# KiCad board ESP32CAM-Weather-Station.kicad_pcb
title: ESP32CAM-Weather-Station; company: Ilias Kringos (ilkringos@gmail.com)
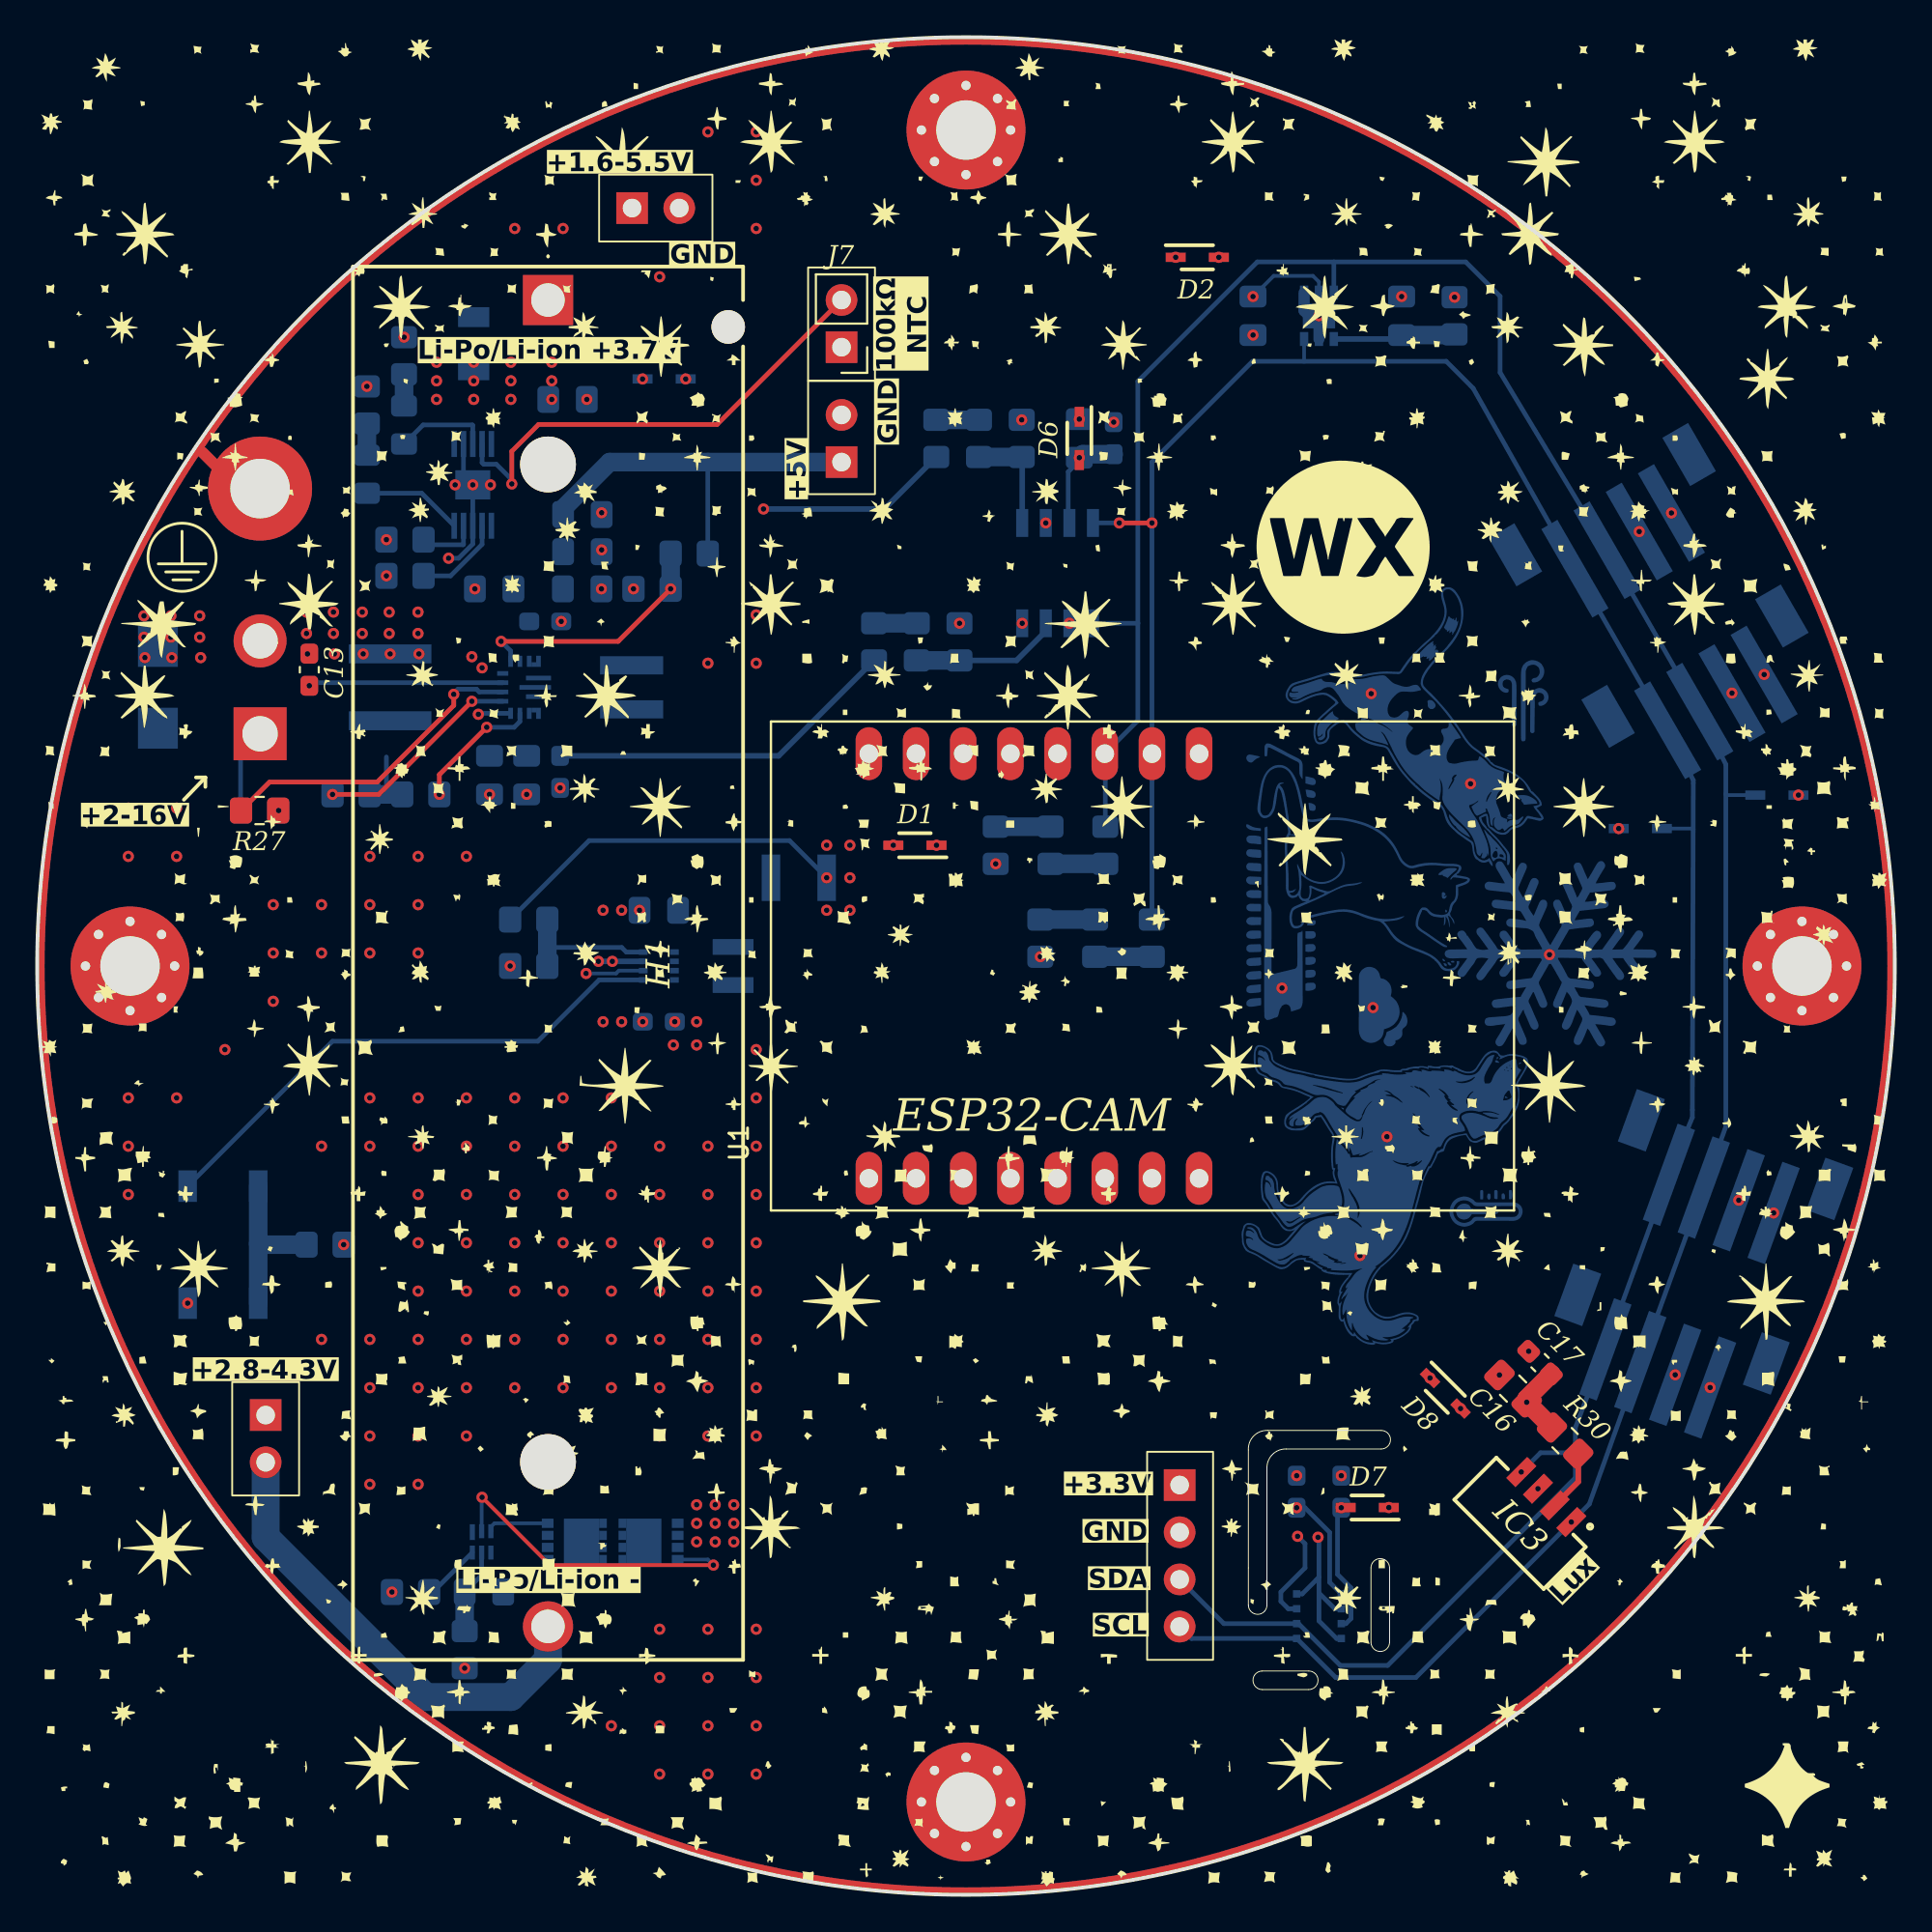
[diagram p0: board, top side]
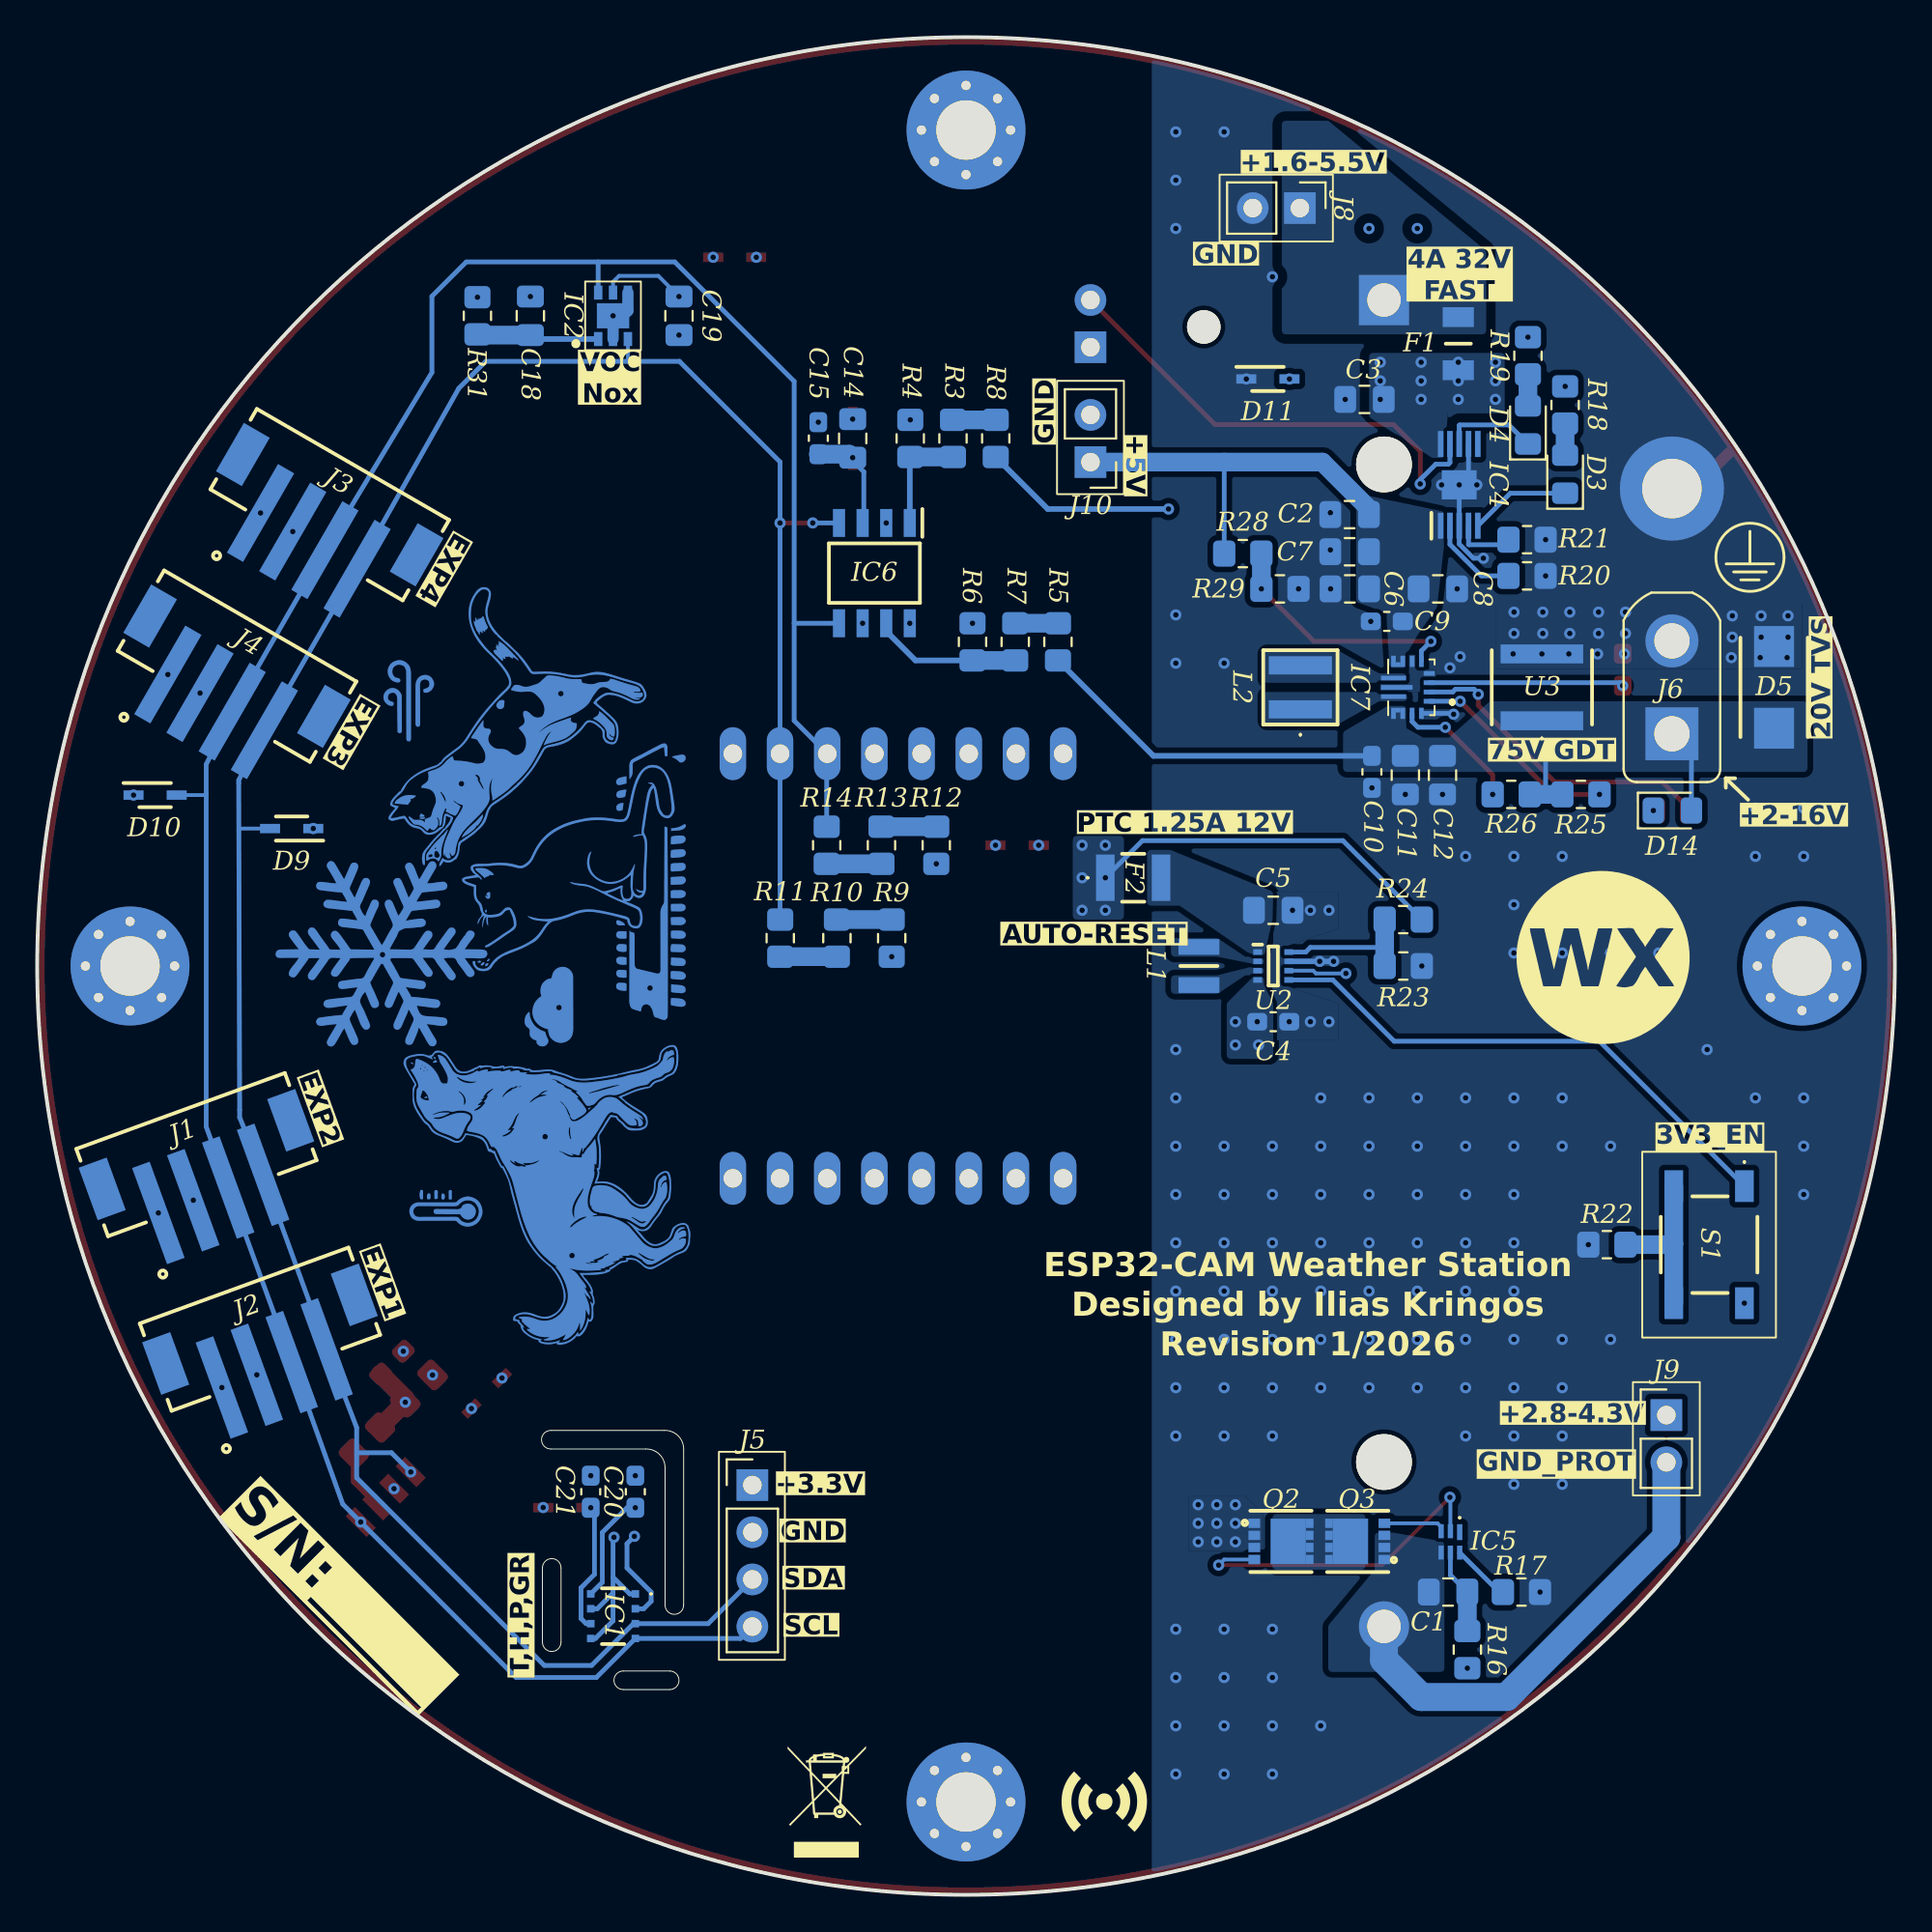
[diagram p1: board, bottom side, seen from below]

Outline 100 x 100 mm; copper layers: Top, In1.Cu, In2.Cu, Bottom. Coordinates in mm from the lower left corner of the outline.
Outline path: circle c50,50 r50 ; 65.2,23.95 arc(65.49,24.71) 66.25,25 72.35,25 arc(72.85,24.5) 72.35,24 67.25,24 arc(66.51,23.72) 66.2,22.99 66.2,15.6 arc(65.7,15.1) 65.2,15.6 65.2,23.95 ; 65.95,11.05 arc(65.45,11.55) 65.95,12.05 68.45,12.05 arc(68.95,11.55) 68.45,11.05 65.95,11.05 ; 71.8,17.6 arc(72.3,18.1) 72.8,17.6 72.8,13.6 arc(72.3,13.1) 71.8,13.6 71.8,17.6
Stack: Top 0.035mm / dielectric 0.0994mm FR4 er 4.1 / In1.Cu 0.0152mm / dielectric 1.265mm FR4 er 4.1 / In2.Cu 0.0152mm / dielectric 0.0994mm FR4 er 4.1 / Bottom 0.035mm

## Placement (name value [footprint] x y rotation side)
C1  0.1uF  [C_0805_2012Metric_Pad1.18x1.45mm_HandSolder]  24.05 16.3 0 bottom
C2  1uF  [C_0805_2012Metric_Pad1.18x1.45mm_HandSolder]  29.35 74.3 0 bottom
C3  1uF  [C_0805_2012Metric_Pad1.18x1.45mm_HandSolder]  28.55 80.5 0 bottom
C4  22uF  [C_0603_1608Metric_Pad1.08x0.95mm_HandSolder]  33.46 47 180 bottom
C5  47uF  [C_0805_2012Metric_Pad1.18x1.45mm_HandSolder]  33.46 53 180 bottom
C6  22uF  [C_0805_2012Metric_Pad1.18x1.45mm_HandSolder]  29.34 70.3 0 bottom
C7  22uF  [C_0805_2012Metric_Pad1.18x1.45mm_HandSolder]  29.35 72.3 0 bottom
C8  22uF  [C_0805_2012Metric_Pad1.18x1.45mm_HandSolder]  24.6 70.3 180 bottom
C9  10uF  [C_0603_1608Metric_Pad1.08x0.95mm_HandSolder]  27.35 68.55 0 bottom
C10  10uF  [C_0603_1608Metric_Pad1.08x0.95mm_HandSolder]  28.15 60.45 270 bottom
C11  10uF  [C_0805_2012Metric_Pad1.18x1.45mm_HandSolder]  26.35 60.28 270 bottom
C12  10uF  [C_0805_2012Metric_Pad1.18x1.45mm_HandSolder]  24.35 60.28 270 bottom
C13  100nF  [C_0603_1608Metric_Pad1.08x0.95mm_HandSolder]  14.65 65.95 270 top
C14  10uF  [C_0805_2012Metric_Pad1.18x1.45mm_HandSolder]  56.1 78.4 90 bottom
C15  100nF  [C_0603_1608Metric_Pad1.08x0.95mm_HandSolder]  57.95 78.41 270 bottom
C16  10uF  [C_0805_2012Metric_Pad1.18x1.45mm_HandSolder]  79.45 27.25 135 top
C17  100nF  [C_0603_1608Metric_Pad1.08x0.95mm_HandSolder]  80.9 28.65 315 top
C18  1uF  [C_0805_2012Metric_Pad1.18x1.45mm_HandSolder]  73.45 85 90 bottom
C19  1uF  [C_0805_2012Metric_Pad1.18x1.45mm_HandSolder]  65.45 85 270 bottom
C20  100nF  [C_0603_1608Metric_Pad1.08x0.95mm_HandSolder]  67.8 21.7 270 bottom
C21  100nF  [C_0603_1608Metric_Pad1.08x0.95mm_HandSolder]  70.2 21.7 270 bottom
D1  SD05C-7  [SOD2513X120N]  47.25 56.5 180 top
D2  SD05C-7  [SOD2513X120N]  62.45 88.15 0 top
D3  LED_GREEN  [LED_0805_2012Metric_Pad1.15x1.40mm_HandSolder]  17.75 76.47 90 bottom
D4  LED_RED  [LED_0805_2012Metric_Pad1.15x1.40mm_HandSolder]  19.75 79.12 90 bottom
D5  SMBJ20CA-TR  [DIONM5436X265N]  6.5 65 90 bottom
D6  SD05C-7  [SOD2513X120N]  56.1 78.4 270 top
D7  SD05C-7  [SOD2513X120N]  71.6 20.85 180 top
D8  SD05C-7  [SOD2513X120N]  75.8 27 315 top
D9  SD05C-7  [SOD2513X120N]  86.3 57.4 0 bottom
D10  SD05C-7  [SOD2513X120N]  93.65 59.2 180 bottom
D11  SD05C-7  [SOD2513X120N]  33.75 81.6 180 bottom
D14  LED_GREEN  [LED_0805_2012Metric_Pad1.15x1.40mm_HandSolder]  11.97 58.37 180 bottom
F1  SF-1206FP400-2  [FUSC3116X70N]  23.5 83.5 270 bottom
F2  MF-USHT125KX_12-2  [MFUSHT125KX122]  41 54.75 180 bottom
H1  12BHC186P2-GR  [12BHC186P2GR]  27.5 85.85 90 top
H2  MountingHole  [MountingHole_3.2mm_M3_Pad_Via]  50 5 0 top
H3  MountingHole  [MountingHole_3.2mm_M3_Pad_Via]  95 50 0 top
H4  MountingHole  [MountingHole_3.2mm_M3_Pad_Via]  50 95 0 top
H5  MountingHole_Pad  [MountingHole_3.2mm_M3_DIN965_Pad]  12 75.7 0 top
H6  MountingHole  [MountingHole_3.2mm_M3_Pad_Via]  5 50 0 top
IC1  -  [BME688]  69 15 180 bottom
IC2  SGP41-D-R4  [SON80P244X244X95-7N]  69 85 90 bottom
IC3  VEML7700-TT  [VEML7700]  83.36 18.73 135 top
IC4  BQ24093DGQR  [SOP50P490X110-11N]  23.45 75.9 90 bottom
IC5  BQ29707DSET  [TPS610985DSET]  23.92 19 0 bottom
IC6  MCP3426A0T-E_SN  [SOIC127P600X175-8N]  54.93 71.15 270 bottom
IC7  TPS63070RNMR  [TPS630701RNMR]  25.5 65 0 bottom
J1  B4B-PH-SM4-TB_LF__SN_  [B4B-PH-SM4_1]  92.28 42.2 160 bottom
J2  B4B-PH-SM4-TB_LF__SN_  [B4B-PH-SM4_1]  88.86 32.8 160 bottom
J3  B4B-PH-SM4-TB_LF__SN_  [B4B-PH-SM4_1]  83 77 210 bottom
J4  B4B-PH-SM4-TB_LF__SN_  [B4B-PH-SM4_1]  87.99 68.3 210 bottom
J5  Conn_01x04_Socket  [PinHeader_1x04_P2.54mm_Vertical]  61.5 22.06 180 bottom
J6  XT30UPB-M  [AMASS_XT30UPB-M]  12 65 90 bottom
J7  Conn_01x02_Pin  [PinHeader_1x02_P2.54mm_Vertical]  43.3 83.31 180 top
J8  Conn_01x02_Pin  [PinHeader_1x02_P2.54mm_Vertical]  32.03 90.8 270 bottom
J9  Conn_01x02_Pin  [PinHeader_1x02_P2.54mm_Vertical]  12.3 25.83 180 bottom
J10  Conn_01x02_Pin  [PinHeader_1x02_P2.54mm_Vertical]  43.3 77.12 0 bottom
L1  DFE252012P-1R0M=P2  [DFE2HCAH1R0MJ0L]  37.46 50 90 bottom
L2  XFL4020-152MEC  [XFL4020152MEC]  32 65 90 bottom
Q2  CSD16406Q3  [DQG_VSON-CLIP]  33.04 19.03 270 bottom
Q3  CSD16406Q3  [DQG_VSON-CLIP]  28.91 19.03 90 bottom
R3  20k  [R_0805_2012Metric_Pad1.20x1.40mm_HandSolder]  50.7 78.4 270 bottom
R4  20k  [R_0805_2012Metric_Pad1.20x1.40mm_HandSolder]  53 78.4 90 bottom
R5  100k  [R_0805_2012Metric_Pad1.20x1.40mm_HandSolder]  45.05 67.45 270 bottom
R6  10k  [R_0805_2012Metric_Pad1.20x1.40mm_HandSolder]  49.65 67.45 90 bottom
R7  10k  [R_0805_2012Metric_Pad1.20x1.40mm_HandSolder]  47.35 67.45 270 bottom
R8  10k  [R_0805_2012Metric_Pad1.20x1.40mm_HandSolder]  48.4 78.4 270 bottom
R9  1k  [R_0805_2012Metric_Pad1.20x1.40mm_HandSolder]  54 51.5 90 bottom
R10  1k  [R_0805_2012Metric_Pad1.20x1.40mm_HandSolder]  56.95 51.5 270 bottom
R11  1k  [R_0805_2012Metric_Pad1.20x1.40mm_HandSolder]  60 51.5 270 bottom
R12  1k  [R_0805_2012Metric_Pad1.20x1.40mm_HandSolder]  51.6 56.5 90 bottom
R13  1k  [R_0805_2012Metric_Pad1.20x1.40mm_HandSolder]  54.55 56.5 270 bottom
R14  1k  [R_0805_2012Metric_Pad1.20x1.40mm_HandSolder]  57.5 56.5 270 bottom
R16  330  [R_0805_2012Metric_Pad1.20x1.40mm_HandSolder]  23.01 13.2 270 bottom
R17  2.2k  [R_0805_2012Metric_Pad1.20x1.40mm_HandSolder]  20.1 16.3 0 bottom
R18  1k  [R_0805_2012Metric_Pad1.20x1.40mm_HandSolder]  17.75 80.2 270 bottom
R19  1k  [R_0805_2012Metric_Pad1.20x1.40mm_HandSolder]  19.75 82.85 270 bottom
R20  549  [R_0805_2012Metric_Pad1.20x1.40mm_HandSolder]  19.8 71 180 bottom
R21  10k  [R_0805_2012Metric_Pad1.20x1.40mm_HandSolder]  19.8 72.95 180 bottom
R22  1k  [R_0805_2012Metric_Pad1.20x1.40mm_HandSolder]  15.5 35 180 bottom
R23  91k  [R_0805_2012Metric_Pad1.20x1.40mm_HandSolder]  26.46 50 180 bottom
R24  511k  [R_0805_2012Metric_Pad1.20x1.40mm_HandSolder]  26.46 52.5 0 bottom
R25  10k  [R_0805_2012Metric_Pad1.20x1.40mm_HandSolder]  16.9 59.24 180 bottom
R26  10k  [R_0805_2012Metric_Pad1.20x1.40mm_HandSolder]  20.65 59.24 0 bottom
R27  1k  [R_0805_2012Metric_Pad1.20x1.40mm_HandSolder]  11.97 58.37 0 top
R28  680k  [R_0805_2012Metric_Pad1.20x1.40mm_HandSolder]  35.1 72.2 180 bottom
R29  130k  [R_0805_2012Metric_Pad1.20x1.40mm_HandSolder]  33.1 70.3 180 bottom
R30  10  [R_0805_2012Metric_Pad1.20x1.40mm_HandSolder]  82.25 24.45 315 top
R31  4.7  [R_0805_2012Metric_Pad1.20x1.40mm_HandSolder]  76.3 85 270 bottom
REF**  -  [catsdog]  78.66 36.81 90 bottom
REF**#2  -  [WEEE-Logo_4.2x6mm_SilkScreen]  57.5 5 180 bottom
S1  TS18-5-25-SL-260-SMT-TR  [TS18525SL260SMTTR]  10 35 270 bottom
U1  -  [ESP32-CAM]  54.93 50 90 top
U2  TPS631000DRLR  [SOTFL50P160X60-8N]  33.46 50 180 bottom
U3  GDT25-07-S1-RP  [GDT2507S1RP]  19 65 90 bottom

## Library data of the parts
C1-C3 C18 C19 = -: Description: Unpolarized capacitor; ki_fp_filters: C_*
C4 = -: Datasheet: GRM187R61A226ME15; Description: GRM187R61A226ME15; ki_fp_filters: C_*
C5 = -: Datasheet: GRM219R60J476ME44; Description: GRM219R60J476ME44; ki_fp_filters: C_*
C6-C8 = -: Datasheet: GRM21BC81C226ME44L; Description: GRM21BC81C226ME44L; ki_fp_filters: C_*
C9 C10 = -: Datasheet: TMK107BBJ106MA-T; Description: TMK107BBJ106MA-T; ki_fp_filters: C_*
C11 C12 C14 C16 = -: Datasheet: GRM21BC71E106ME11L; Description: GRM21BC71E106ME11L; ki_fp_filters: C_*
C13 C15 C17 C20 C21 = -: ki_fp_filters: C_*
D1 D2 D6-D11 = -: Datasheet: https://www.diodes.com//assets/Datasheets/SD05C.pdf; Description: ESD Suppressors / TVS Diodes Surge Protection PP SOD323 T&R 3K; Description_1: ESD Suppressors / TVS Diodes Surge Protection PP SOD323 T&R 3K; Height: 1.2; Mouser Part Number: 621-SD05C-7; Mouser Price/Stock: https://www.mouser.co.uk/ProductDetail/Diodes-Incorporated/SD05C-7?qs=lQAVKuKFhkJ%252Bbajm903DcQ%3D%3D; Manufacturer_Name: Diodes Incorporated
D3 D4 D14 = -: Description: Light emitting diode; Sim.Pins: 1=K 2=A; ki_fp_filters: LED* LED_SMD:* LED_THT:*
D5 = -: Datasheet: https://www.st.com/resource/en/datasheet/smbj58ca.pdf; Description: 32.4V Clamp 19.4A Ipp Tvs Diode Surface Mount SMB; Description_1: 32.4V Clamp 19.4A Ipp Tvs Diode Surface Mount SMB; Height: 2.65; Mouser Part Number: 511-SMBJ20CA; Mouser Price/Stock: https://www.mouser.co.uk/ProductDetail/STMicroelectronics/SMBJ20CA-TR?qs=MnpB8U05RBlRc9tASLy9RA%3D%3D; Manufacturer_Name: STMicroelectronics
F1 = -: Datasheet: https://www.arrow.com/en/products/sf-1206fp400-2/bourns; Description: Surface Mount Fuses 4A Fast Acting 1206 Singlfuse; Description_1: Surface Mount Fuses 4A Fast Acting 1206 Singlfuse; Height: 0.7; Mouser Part Number: 652-SF-1206FP400-2; Mouser Price/Stock: https://www.mouser.co.uk/ProductDetail/Bourns/SF-1206FP400-2?qs=YCa%2FAAYMW02S8mWQc8TxNw%3D%3D; Manufacturer_Name: Bourns
F2 = -: Datasheet: https://www.bourns.com/docs/product-datasheets/mf-usht.pdf; Description: Polymeric PTC Resettable Fuse 12V 1.25 A Ih Surface Mount 1210 (3225 Metric), Concave; Description_1: Polymeric PTC Resettable Fuse 12V 1.25 A Ih Surface Mount 1210 (3225 Metric), Concave; Height: 1.05; Mouser Part Number: 652-MF-USHT125KX/12; Mouser Price/Stock: https://www.mouser.co.uk/ProductDetail/Bourns/MF-USHT125KX-12-2?qs=7%2F6SraaimPR7sMqRQYWMnw%3D%3D; Manufacturer_Name: Bourns; Manufacturer_Part_Number: MF-USHT125KX/12-2
H1 = -: Description: Cylindrical Battery Contacts, Clips, Holders & Springs 18650 Battery Holder PC Mount - Black; Description_1: Cylindrical Battery Contacts, Clips, Holders & Springs 18650 Battery Holder PC Mount - Black; Height: 22.5; Mouser Price/Stock: https://www.mouser.co.uk/ProductDetail/Eagle-Plastic-Devices/12BHC186P2-GR?qs=pBJMDPsKWf3IIRfovBsTOg%3D%3D; Manufacturer_Name: Eagle Plastic Devices
H2-H4 H6 = -: Description: Mounting Hole without connection; ki_fp_filters: MountingHole*
H5 = -: Description: Mounting Hole with connection; ki_fp_filters: MountingHole*Pad*
IC1 = -: Datasheet: https://www.bosch-sensortec.com/media/boschsensortec/downloads/datasheets/bst-bme688-ds000.pdf; Description: Gas sensor measuring relative humidity, barometric pressure, ambient temperature and gas (VOC); Description_1: Gas sensor measuring relative humidity, barometric pressure, ambient temperature and gas (VOC); Height: 1; Mouser Part Number: 262-BME688; Mouser Price/Stock: https://www.mouser.co.uk/ProductDetail/Bosch-Sensortec/BME688?qs=IS%252B4QmGtzzqQoVDscqwx3A%3D%3D; Manufacturer_Name: BOSCH